# Altium PCB PCB22.PcbDoc (part 11 of 16) (continued)
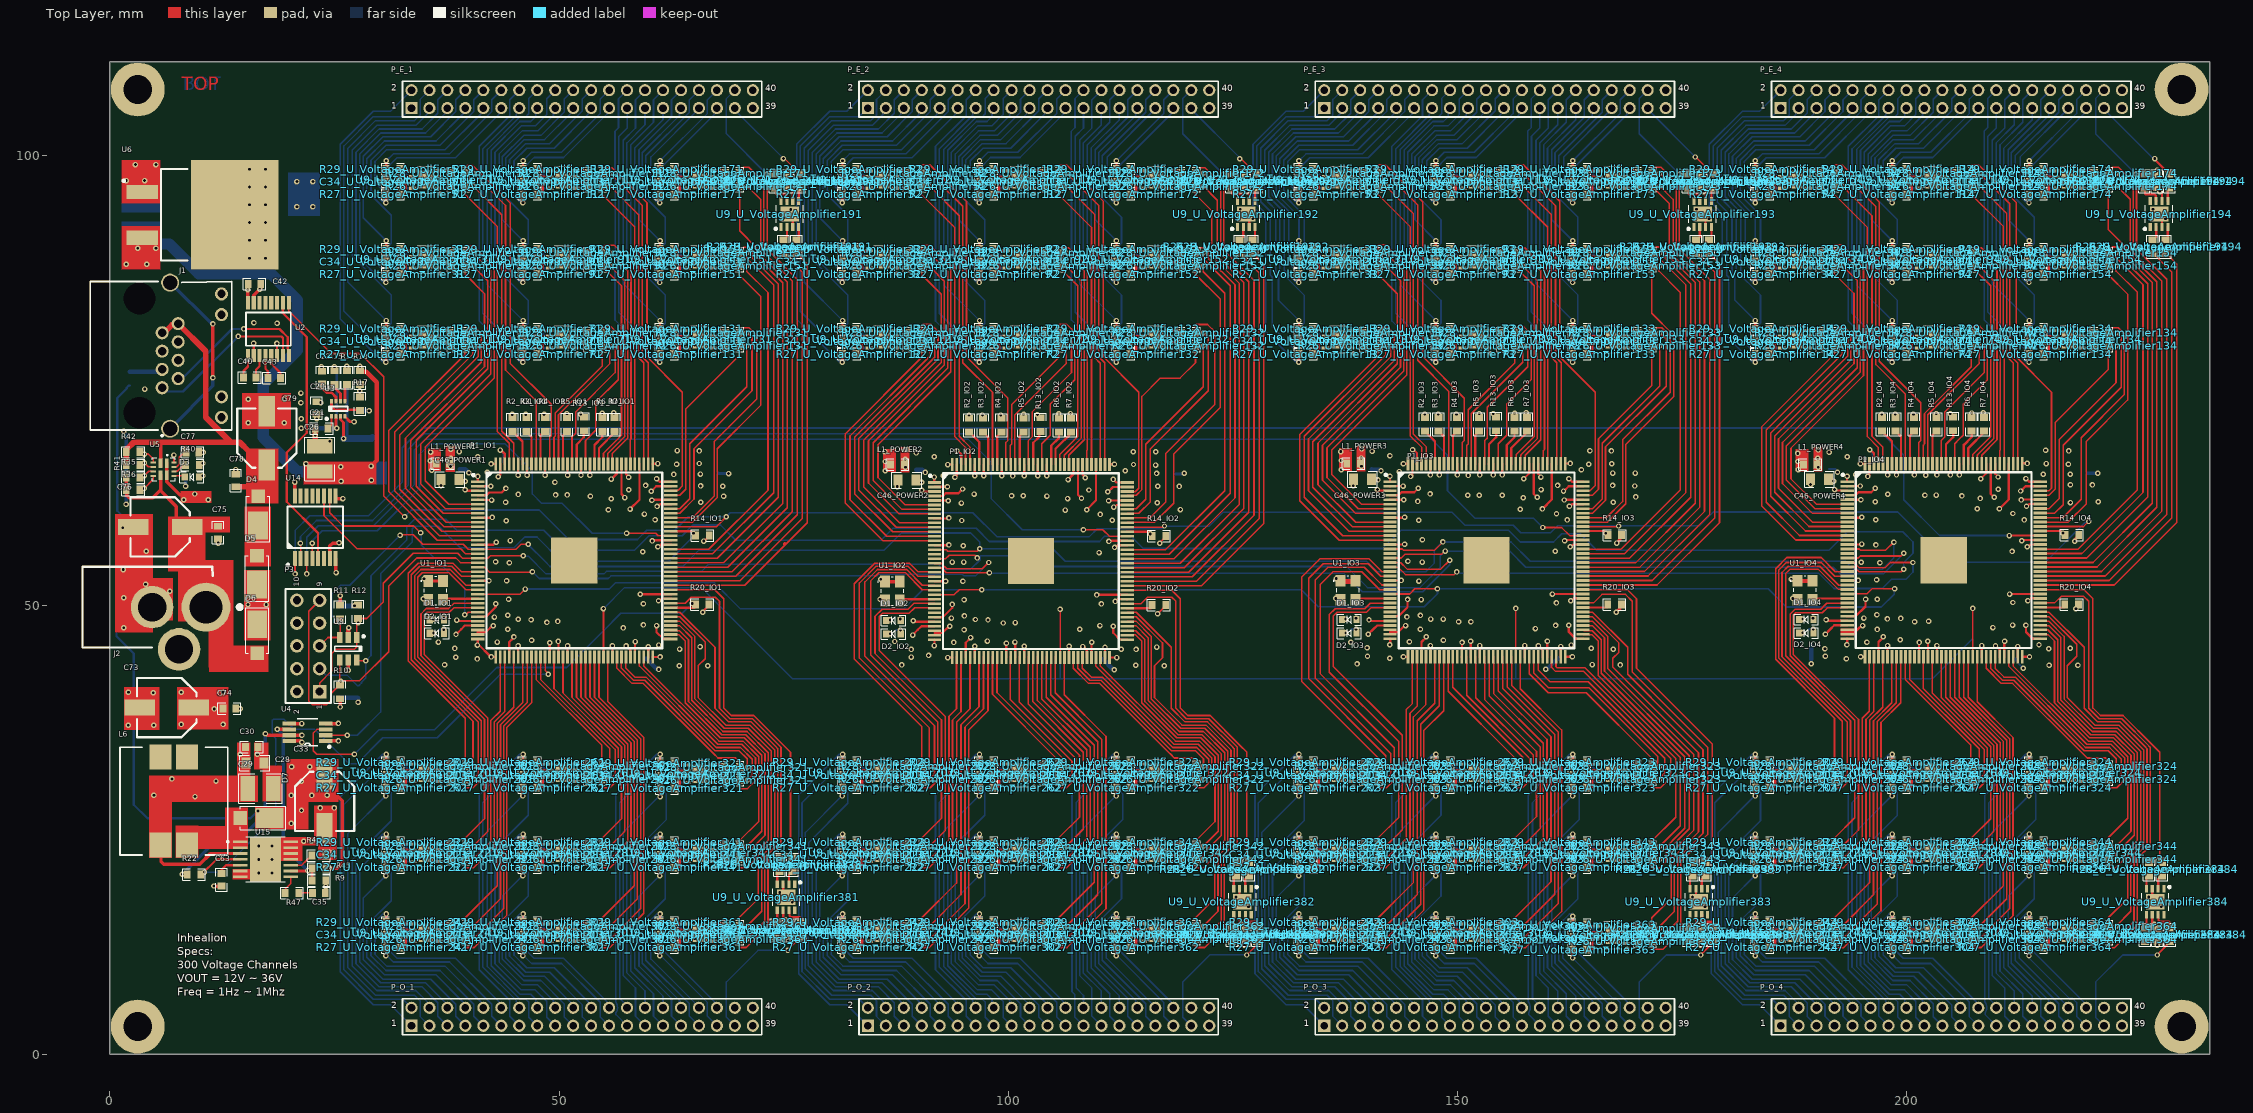
[diagram p0: Top Layer view]
## Nets (pads, with @x,y where several pads share a name; then routed paths per layer and width w, separated by ;. In a path a pad name is that pad's centre, name@x,y a point inside that pad or via, vN(x,y) a via of type N, cw(c..) or ccw(c..) an arc to the next point about the centre after c; other vN are vias at no path point) (continued)
NetR29_U_VoltageAmplifier171_1: R29_U_VoltageAmplifier171.1 U9_U_VoltageAmplifier171.5 | length 1.5
  Top Layer w0.254: R29_U_VoltageAmplifier171.1@62.74,98.531 62.913,98.358 U9_U_VoltageAmplifier171.5@64.188,98.358
NetR29_U_VoltageAmplifier172_1: R29_U_VoltageAmplifier172.1 U9_U_VoltageAmplifier172.5 | length 1.5
  Top Layer w0.254: R29_U_VoltageAmplifier172.1@113.54,98.531 113.713,98.358 U9_U_VoltageAmplifier172.5@114.988,98.358
NetR29_U_VoltageAmplifier173_1: R29_U_VoltageAmplifier173.1 U9_U_VoltageAmplifier173.5 | length 1.5
  Top Layer w0.254: R29_U_VoltageAmplifier173.1@164.34,98.531 164.513,98.358 U9_U_VoltageAmplifier173.5@165.788,98.358
NetR29_U_VoltageAmplifier174_1: R29_U_VoltageAmplifier174.1 U9_U_VoltageAmplifier174.5 | length 1.5
  Top Layer w0.254: R29_U_VoltageAmplifier174.1@215.14,98.531 215.313,98.358 U9_U_VoltageAmplifier174.5@216.588,98.358
NetR29_U_VoltageAmplifier181_1: R29_U_VoltageAmplifier181.1 U9_U_VoltageAmplifier181.5 | length 1.8
  Bottom Layer w0.254: R29_U_VoltageAmplifier181.1@62.74,95.737 62.74,95.801 63.348,96.408 U9_U_VoltageAmplifier181.5@64.188,96.408
NetR29_U_VoltageAmplifier182_1: R29_U_VoltageAmplifier182.1 U9_U_VoltageAmplifier182.5 | length 1.8
  Bottom Layer w0.254: R29_U_VoltageAmplifier182.1@113.54,95.737 113.54,95.801 114.148,96.408 U9_U_VoltageAmplifier182.5@114.988,96.408
NetR29_U_VoltageAmplifier183_1: R29_U_VoltageAmplifier183.1 U9_U_VoltageAmplifier183.5 | length 1.8
  Bottom Layer w0.254: R29_U_VoltageAmplifier183.1@164.34,95.737 164.34,95.801 164.948,96.408 U9_U_VoltageAmplifier183.5@165.788,96.408
NetR29_U_VoltageAmplifier184_1: R29_U_VoltageAmplifier184.1 U9_U_VoltageAmplifier184.5 | length 1.8
  Bottom Layer w0.254: R29_U_VoltageAmplifier184.1@215.14,95.737 215.14,95.801 215.748,96.408 U9_U_VoltageAmplifier184.5@216.588,96.408
NetR29_U_VoltageAmplifier191_1: R29_U_VoltageAmplifier191.1 U9_U_VoltageAmplifier191.5 | length 1.5
  Top Layer w0.254: U9_U_VoltageAmplifier191.5@76.658,94.99 76.658,96.265 R29_U_VoltageAmplifier191.1@76.831,96.438
NetR29_U_VoltageAmplifier192_1: R29_U_VoltageAmplifier192.1 U9_U_VoltageAmplifier192.5 | length 1.5
  Top Layer w0.254: U9_U_VoltageAmplifier192.5@127.458,94.99 127.458,96.265 R29_U_VoltageAmplifier192.1@127.631,96.438
NetR29_U_VoltageAmplifier193_1: R29_U_VoltageAmplifier193.1 U9_U_VoltageAmplifier193.5 | length 1.5
  Top Layer w0.254: U9_U_VoltageAmplifier193.5@178.258,94.99 178.258,96.265 R29_U_VoltageAmplifier193.1@178.431,96.438
NetR29_U_VoltageAmplifier194_1: R29_U_VoltageAmplifier194.1 U9_U_VoltageAmplifier194.5 | length 1.5
  Top Layer w0.254: U9_U_VoltageAmplifier194.5@229.058,94.99 229.058,96.265 R29_U_VoltageAmplifier194.1@229.231,96.438
NetR29_U_VoltageAmplifier201_1: R29_U_VoltageAmplifier201.1 U9_U_VoltageAmplifier201.5 | length 1.5
  Top Layer w0.254: R29_U_VoltageAmplifier201.1@32.26,32.491 32.433,32.318 U9_U_VoltageAmplifier201.5@33.708,32.318
NetR29_U_VoltageAmplifier202_1: R29_U_VoltageAmplifier202.1 U9_U_VoltageAmplifier202.5 | length 1.5
  Top Layer w0.254: R29_U_VoltageAmplifier202.1@83.06,32.491 83.233,32.318 U9_U_VoltageAmplifier202.5@84.508,32.318
NetR29_U_VoltageAmplifier203_1: R29_U_VoltageAmplifier203.1 U9_U_VoltageAmplifier203.5 | length 1.5
  Top Layer w0.254: R29_U_VoltageAmplifier203.1@133.86,32.491 134.033,32.318 U9_U_VoltageAmplifier203.5@135.308,32.318
NetR29_U_VoltageAmplifier204_1: R29_U_VoltageAmplifier204.1 U9_U_VoltageAmplifier204.5 | length 1.5
  Top Layer w0.254: R29_U_VoltageAmplifier204.1@184.66,32.491 184.833,32.318 U9_U_VoltageAmplifier204.5@186.108,32.318
NetR29_U_VoltageAmplifier211_1: R29_U_VoltageAmplifier211.1 U9_U_VoltageAmplifier211.5 | length 1.8
  Bottom Layer w0.254: R29_U_VoltageAmplifier211.1@32.26,29.697 32.26,29.761 32.868,30.368 U9_U_VoltageAmplifier211.5@33.708,30.368
NetR29_U_VoltageAmplifier212_1: R29_U_VoltageAmplifier212.1 U9_U_VoltageAmplifier212.5 | length 1.8
  Bottom Layer w0.254: R29_U_VoltageAmplifier212.1@83.06,29.697 83.06,29.761 83.668,30.368 U9_U_VoltageAmplifier212.5@84.508,30.368
NetR29_U_VoltageAmplifier213_1: R29_U_VoltageAmplifier213.1 U9_U_VoltageAmplifier213.5 | length 1.8
  Bottom Layer w0.254: R29_U_VoltageAmplifier213.1@133.86,29.697 133.86,29.761 134.468,30.368 U9_U_VoltageAmplifier213.5@135.308,30.368
NetR29_U_VoltageAmplifier214_1: R29_U_VoltageAmplifier214.1 U9_U_VoltageAmplifier214.5 | length 1.8
  Bottom Layer w0.254: R29_U_VoltageAmplifier214.1@184.66,29.697 184.66,29.761 185.268,30.368 U9_U_VoltageAmplifier214.5@186.108,30.368
NetR29_U_VoltageAmplifier221_1: R29_U_VoltageAmplifier221.1 U9_U_VoltageAmplifier221.5 | length 1.5
  Top Layer w0.254: R29_U_VoltageAmplifier221.1@32.26,23.601 32.433,23.428 U9_U_VoltageAmplifier221.5@33.708,23.428
NetR29_U_VoltageAmplifier222_1: R29_U_VoltageAmplifier222.1 U9_U_VoltageAmplifier222.5 | length 1.5
  Top Layer w0.254: R29_U_VoltageAmplifier222.1@83.06,23.601 83.233,23.428 U9_U_VoltageAmplifier222.5@84.508,23.428
NetR29_U_VoltageAmplifier223_1: R29_U_VoltageAmplifier223.1 U9_U_VoltageAmplifier223.5 | length 1.5
  Top Layer w0.254: R29_U_VoltageAmplifier223.1@133.86,23.601 134.033,23.428 U9_U_VoltageAmplifier223.5@135.308,23.428
NetR29_U_VoltageAmplifier224_1: R29_U_VoltageAmplifier224.1 U9_U_VoltageAmplifier224.5 | length 1.5
  Top Layer w0.254: R29_U_VoltageAmplifier224.1@184.66,23.601 184.833,23.428 U9_U_VoltageAmplifier224.5@186.108,23.428
NetR29_U_VoltageAmplifier231_1: R29_U_VoltageAmplifier231.1 U9_U_VoltageAmplifier231.5 | length 1.8
  Bottom Layer w0.254: R29_U_VoltageAmplifier231.1@32.26,20.807 32.26,20.871 32.868,21.478 U9_U_VoltageAmplifier231.5@33.708,21.478
NetR29_U_VoltageAmplifier232_1: R29_U_VoltageAmplifier232.1 U9_U_VoltageAmplifier232.5 | length 1.8
  Bottom Layer w0.254: R29_U_VoltageAmplifier232.1@83.06,20.807 83.06,20.871 83.668,21.478 U9_U_VoltageAmplifier232.5@84.508,21.478
NetR29_U_VoltageAmplifier233_1: R29_U_VoltageAmplifier233.1 U9_U_VoltageAmplifier233.5 | length 1.8
  Bottom Layer w0.254: R29_U_VoltageAmplifier233.1@133.86,20.807 133.86,20.871 134.468,21.478 U9_U_VoltageAmplifier233.5@135.308,21.478
NetR29_U_VoltageAmplifier234_1: R29_U_VoltageAmplifier234.1 U9_U_VoltageAmplifier234.5 | length 1.8
  Bottom Layer w0.254: R29_U_VoltageAmplifier234.1@184.66,20.807 184.66,20.871 185.268,21.478 U9_U_VoltageAmplifier234.5@186.108,21.478
NetR29_U_VoltageAmplifier241_1: R29_U_VoltageAmplifier241.1 U9_U_VoltageAmplifier241.5 | length 1.5
  Top Layer w0.254: R29_U_VoltageAmplifier241.1@32.26,14.711 32.433,14.538 U9_U_VoltageAmplifier241.5@33.708,14.538
NetR29_U_VoltageAmplifier242_1: R29_U_VoltageAmplifier242.1 U9_U_VoltageAmplifier242.5 | length 1.5
  Top Layer w0.254: R29_U_VoltageAmplifier242.1@83.06,14.711 83.233,14.538 U9_U_VoltageAmplifier242.5@84.508,14.538
NetR29_U_VoltageAmplifier243_1: R29_U_VoltageAmplifier243.1 U9_U_VoltageAmplifier243.5 | length 1.5
  Top Layer w0.254: R29_U_VoltageAmplifier243.1@133.86,14.711 134.033,14.538 U9_U_VoltageAmplifier243.5@135.308,14.538
NetR29_U_VoltageAmplifier244_1: R29_U_VoltageAmplifier244.1 U9_U_VoltageAmplifier244.5 | length 1.5
  Top Layer w0.254: R29_U_VoltageAmplifier244.1@184.66,14.711 184.833,14.538 U9_U_VoltageAmplifier244.5@186.108,14.538
NetR29_U_VoltageAmplifier251_1: R29_U_VoltageAmplifier251.1 U9_U_VoltageAmplifier251.5 | length 1.8
  Bottom Layer w0.254: R29_U_VoltageAmplifier251.1@32.26,11.917 32.26,11.981 32.868,12.588 U9_U_VoltageAmplifier251.5@33.708,12.588
NetR29_U_VoltageAmplifier252_1: R29_U_VoltageAmplifier252.1 U9_U_VoltageAmplifier252.5 | length 1.8
  Bottom Layer w0.254: R29_U_VoltageAmplifier252.1@83.06,11.917 83.06,11.981 83.668,12.588 U9_U_VoltageAmplifier252.5@84.508,12.588
NetR29_U_VoltageAmplifier253_1: R29_U_VoltageAmplifier253.1 U9_U_VoltageAmplifier253.5 | length 1.8
  Bottom Layer w0.254: R29_U_VoltageAmplifier253.1@133.86,11.917 133.86,11.981 134.468,12.588 U9_U_VoltageAmplifier253.5@135.308,12.588
NetR29_U_VoltageAmplifier254_1: R29_U_VoltageAmplifier254.1 U9_U_VoltageAmplifier254.5 | length 1.8
  Bottom Layer w0.254: R29_U_VoltageAmplifier254.1@184.66,11.917 184.66,11.981 185.268,12.588 U9_U_VoltageAmplifier254.5@186.108,12.588
NetR29_U_VoltageAmplifier261_1: R29_U_VoltageAmplifier261.1 U9_U_VoltageAmplifier261.5 | length 1.5
  Top Layer w0.254: R29_U_VoltageAmplifier261.1@47.5,32.491 47.673,32.318 U9_U_VoltageAmplifier261.5@48.948,32.318
NetR29_U_VoltageAmplifier262_1: R29_U_VoltageAmplifier262.1 U9_U_VoltageAmplifier262.5 | length 1.5
  Top Layer w0.254: R29_U_VoltageAmplifier262.1@98.3,32.491 98.473,32.318 U9_U_VoltageAmplifier262.5@99.748,32.318
NetR29_U_VoltageAmplifier263_1: R29_U_VoltageAmplifier263.1 U9_U_VoltageAmplifier263.5 | length 1.5
  Top Layer w0.254: R29_U_VoltageAmplifier263.1@149.1,32.491 149.273,32.318 U9_U_VoltageAmplifier263.5@150.548,32.318
NetR29_U_VoltageAmplifier264_1: R29_U_VoltageAmplifier264.1 U9_U_VoltageAmplifier264.5 | length 1.5
  Top Layer w0.254: R29_U_VoltageAmplifier264.1@199.9,32.491 200.073,32.318 U9_U_VoltageAmplifier264.5@201.348,32.318
NetR29_U_VoltageAmplifier271_1: R29_U_VoltageAmplifier271.1 U9_U_VoltageAmplifier271.5 | length 1.8
  Bottom Layer w0.254: R29_U_VoltageAmplifier271.1@47.5,29.697 47.5,29.761 48.108,30.368 U9_U_VoltageAmplifier271.5@48.948,30.368
NetR29_U_VoltageAmplifier272_1: R29_U_VoltageAmplifier272.1 U9_U_VoltageAmplifier272.5 | length 1.8
  Bottom Layer w0.254: R29_U_VoltageAmplifier272.1@98.3,29.697 98.3,29.761 98.908,30.368 U9_U_VoltageAmplifier272.5@99.748,30.368
NetR29_U_VoltageAmplifier273_1: R29_U_VoltageAmplifier273.1 U9_U_VoltageAmplifier273.5 | length 1.8
  Bottom Layer w0.254: R29_U_VoltageAmplifier273.1@149.1,29.697 149.1,29.761 149.708,30.368 U9_U_VoltageAmplifier273.5@150.548,30.368
NetR29_U_VoltageAmplifier274_1: R29_U_VoltageAmplifier274.1 U9_U_VoltageAmplifier274.5 | length 1.8
  Bottom Layer w0.254: R29_U_VoltageAmplifier274.1@199.9,29.697 199.9,29.761 200.508,30.368 U9_U_VoltageAmplifier274.5@201.348,30.368
NetR29_U_VoltageAmplifier281_1: R29_U_VoltageAmplifier281.1 U9_U_VoltageAmplifier281.5 | length 1.5
  Top Layer w0.254: R29_U_VoltageAmplifier281.1@47.5,23.601 47.673,23.428 U9_U_VoltageAmplifier281.5@48.948,23.428
NetR29_U_VoltageAmplifier282_1: R29_U_VoltageAmplifier282.1 U9_U_VoltageAmplifier282.5 | length 1.5
  Top Layer w0.254: R29_U_VoltageAmplifier282.1@98.3,23.601 98.473,23.428 U9_U_VoltageAmplifier282.5@99.748,23.428
NetR29_U_VoltageAmplifier283_1: R29_U_VoltageAmplifier283.1 U9_U_VoltageAmplifier283.5 | length 1.5
  Top Layer w0.254: R29_U_VoltageAmplifier283.1@149.1,23.601 149.273,23.428 U9_U_VoltageAmplifier283.5@150.548,23.428
NetR29_U_VoltageAmplifier284_1: R29_U_VoltageAmplifier284.1 U9_U_VoltageAmplifier284.5 | length 1.5
  Top Layer w0.254: R29_U_VoltageAmplifier284.1@199.9,23.601 200.073,23.428 U9_U_VoltageAmplifier284.5@201.348,23.428
NetR29_U_VoltageAmplifier291_1: R29_U_VoltageAmplifier291.1 U9_U_VoltageAmplifier291.5 | length 1.8
  Bottom Layer w0.254: R29_U_VoltageAmplifier291.1@47.5,20.807 47.5,20.871 48.108,21.478 U9_U_VoltageAmplifier291.5@48.948,21.478
NetR29_U_VoltageAmplifier292_1: R29_U_VoltageAmplifier292.1 U9_U_VoltageAmplifier292.5 | length 1.8
  Bottom Layer w0.254: R29_U_VoltageAmplifier292.1@98.3,20.807 98.3,20.871 98.908,21.478 U9_U_VoltageAmplifier292.5@99.748,21.478
NetR29_U_VoltageAmplifier293_1: R29_U_VoltageAmplifier293.1 U9_U_VoltageAmplifier293.5 | length 1.8
  Bottom Layer w0.254: R29_U_VoltageAmplifier293.1@149.1,20.807 149.1,20.871 149.708,21.478 U9_U_VoltageAmplifier293.5@150.548,21.478
NetR29_U_VoltageAmplifier294_1: R29_U_VoltageAmplifier294.1 U9_U_VoltageAmplifier294.5 | length 1.8
  Bottom Layer w0.254: R29_U_VoltageAmplifier294.1@199.9,20.807 199.9,20.871 200.508,21.478 U9_U_VoltageAmplifier294.5@201.348,21.478
NetR29_U_VoltageAmplifier301_1: R29_U_VoltageAmplifier301.1 U9_U_VoltageAmplifier301.5 | length 1.5
  Top Layer w0.254: R29_U_VoltageAmplifier301.1@47.5,14.711 47.673,14.538 U9_U_VoltageAmplifier301.5@48.948,14.538
NetR29_U_VoltageAmplifier302_1: R29_U_VoltageAmplifier302.1 U9_U_VoltageAmplifier302.5 | length 1.5
  Top Layer w0.254: R29_U_VoltageAmplifier302.1@98.3,14.711 98.473,14.538 U9_U_VoltageAmplifier302.5@99.748,14.538
NetR29_U_VoltageAmplifier303_1: R29_U_VoltageAmplifier303.1 U9_U_VoltageAmplifier303.5 | length 1.5
  Top Layer w0.254: R29_U_VoltageAmplifier303.1@149.1,14.711 149.273,14.538 U9_U_VoltageAmplifier303.5@150.548,14.538
NetR29_U_VoltageAmplifier304_1: R29_U_VoltageAmplifier304.1 U9_U_VoltageAmplifier304.5 | length 1.5
  Top Layer w0.254: R29_U_VoltageAmplifier304.1@199.9,14.711 200.073,14.538 U9_U_VoltageAmplifier304.5@201.348,14.538
NetR29_U_VoltageAmplifier311_1: R29_U_VoltageAmplifier311.1 U9_U_VoltageAmplifier311.5 | length 1.8
  Bottom Layer w0.254: R29_U_VoltageAmplifier311.1@47.5,11.917 47.5,11.981 48.108,12.588 U9_U_VoltageAmplifier311.5@48.948,12.588
NetR29_U_VoltageAmplifier312_1: R29_U_VoltageAmplifier312.1 U9_U_VoltageAmplifier312.5 | length 1.8
  Bottom Layer w0.254: R29_U_VoltageAmplifier312.1@98.3,11.917 98.3,11.981 98.908,12.588 U9_U_VoltageAmplifier312.5@99.748,12.588
NetR29_U_VoltageAmplifier313_1: R29_U_VoltageAmplifier313.1 U9_U_VoltageAmplifier313.5 | length 1.8
  Bottom Layer w0.254: R29_U_VoltageAmplifier313.1@149.1,11.917 149.1,11.981 149.708,12.588 U9_U_VoltageAmplifier313.5@150.548,12.588
NetR29_U_VoltageAmplifier314_1: R29_U_VoltageAmplifier314.1 U9_U_VoltageAmplifier314.5 | length 1.8
  Bottom Layer w0.254: R29_U_VoltageAmplifier314.1@199.9,11.917 199.9,11.981 200.508,12.588 U9_U_VoltageAmplifier314.5@201.348,12.588
NetR29_U_VoltageAmplifier321_1: R29_U_VoltageAmplifier321.1 U9_U_VoltageAmplifier321.5 | length 1.5
  Top Layer w0.254: R29_U_VoltageAmplifier321.1@62.77,32.4 62.943,32.227 U9_U_VoltageAmplifier321.5@64.218,32.227
NetR29_U_VoltageAmplifier322_1: R29_U_VoltageAmplifier322.1 U9_U_VoltageAmplifier322.5 | length 1.5
  Top Layer w0.254: R29_U_VoltageAmplifier322.1@113.54,32.491 113.713,32.318 U9_U_VoltageAmplifier322.5@114.988,32.318
NetR29_U_VoltageAmplifier323_1: R29_U_VoltageAmplifier323.1 U9_U_VoltageAmplifier323.5 | length 1.5
  Top Layer w0.254: R29_U_VoltageAmplifier323.1@164.34,32.491 164.513,32.318 U9_U_VoltageAmplifier323.5@165.788,32.318
NetR29_U_VoltageAmplifier324_1: R29_U_VoltageAmplifier324.1 U9_U_VoltageAmplifier324.5 | length 1.5
  Top Layer w0.254: R29_U_VoltageAmplifier324.1@215.14,32.491 215.313,32.318 U9_U_VoltageAmplifier324.5@216.588,32.318
NetR29_U_VoltageAmplifier331_1: R29_U_VoltageAmplifier331.1 U9_U_VoltageAmplifier331.5 | length 1.8
  Bottom Layer w0.254: R29_U_VoltageAmplifier331.1@62.77,29.606 62.77,29.67 63.377,30.277 U9_U_VoltageAmplifier331.5@64.218,30.277
NetR29_U_VoltageAmplifier332_1: R29_U_VoltageAmplifier332.1 U9_U_VoltageAmplifier332.5 | length 1.8
  Bottom Layer w0.254: R29_U_VoltageAmplifier332.1@113.54,29.697 113.54,29.761 114.148,30.368 U9_U_VoltageAmplifier332.5@114.988,30.368
NetR29_U_VoltageAmplifier333_1: R29_U_VoltageAmplifier333.1 U9_U_VoltageAmplifier333.5 | length 1.8
  Bottom Layer w0.254: R29_U_VoltageAmplifier333.1@164.34,29.697 164.34,29.761 164.948,30.368 U9_U_VoltageAmplifier333.5@165.788,30.368
NetR29_U_VoltageAmplifier334_1: R29_U_VoltageAmplifier334.1 U9_U_VoltageAmplifier334.5 | length 1.8
  Bottom Layer w0.254: R29_U_VoltageAmplifier334.1@215.14,29.697 215.14,29.761 215.748,30.368 U9_U_VoltageAmplifier334.5@216.588,30.368
NetR29_U_VoltageAmplifier341_1: R29_U_VoltageAmplifier341.1 U9_U_VoltageAmplifier341.5 | length 1.5
  Top Layer w0.254: R29_U_VoltageAmplifier341.1@62.74,23.601 62.913,23.428 U9_U_VoltageAmplifier341.5@64.188,23.428
NetR29_U_VoltageAmplifier342_1: R29_U_VoltageAmplifier342.1 U9_U_VoltageAmplifier342.5 | length 1.5
  Top Layer w0.254: R29_U_VoltageAmplifier342.1@113.54,23.601 113.713,23.428 U9_U_VoltageAmplifier342.5@114.988,23.428
NetR29_U_VoltageAmplifier343_1: R29_U_VoltageAmplifier343.1 U9_U_VoltageAmplifier343.5 | length 1.5
  Top Layer w0.254: R29_U_VoltageAmplifier343.1@164.34,23.601 164.513,23.428 U9_U_VoltageAmplifier343.5@165.788,23.428
NetR29_U_VoltageAmplifier344_1: R29_U_VoltageAmplifier344.1 U9_U_VoltageAmplifier344.5 | length 1.5
  Top Layer w0.254: R29_U_VoltageAmplifier344.1@215.14,23.601 215.313,23.428 U9_U_VoltageAmplifier344.5@216.588,23.428
NetR29_U_VoltageAmplifier351_1: R29_U_VoltageAmplifier351.1 U9_U_VoltageAmplifier351.5 | length 1.8
  Bottom Layer w0.254: R29_U_VoltageAmplifier351.1@62.74,20.807 62.74,20.871 63.348,21.478 U9_U_VoltageAmplifier351.5@64.188,21.478
NetR29_U_VoltageAmplifier352_1: R29_U_VoltageAmplifier352.1 U9_U_VoltageAmplifier352.5 | length 1.8
  Bottom Layer w0.254: R29_U_VoltageAmplifier352.1@113.54,20.807 113.54,20.871 114.148,21.478 U9_U_VoltageAmplifier352.5@114.988,21.478
NetR29_U_VoltageAmplifier353_1: R29_U_VoltageAmplifier353.1 U9_U_VoltageAmplifier353.5 | length 1.8
  Bottom Layer w0.254: R29_U_VoltageAmplifier353.1@164.34,20.807 164.34,20.871 164.948,21.478 U9_U_VoltageAmplifier353.5@165.788,21.478
NetR29_U_VoltageAmplifier354_1: R29_U_VoltageAmplifier354.1 U9_U_VoltageAmplifier354.5 | length 1.8
  Bottom Layer w0.254: R29_U_VoltageAmplifier354.1@215.14,20.807 215.14,20.871 215.748,21.478 U9_U_VoltageAmplifier354.5@216.588,21.478
NetR29_U_VoltageAmplifier361_1: R29_U_VoltageAmplifier361.1 U9_U_VoltageAmplifier361.5 | length 1.5
  Top Layer w0.254: R29_U_VoltageAmplifier361.1@62.74,14.711 62.913,14.538 U9_U_VoltageAmplifier361.5@64.188,14.538
NetR29_U_VoltageAmplifier362_1: R29_U_VoltageAmplifier362.1 U9_U_VoltageAmplifier362.5 | length 1.5
  Top Layer w0.254: R29_U_VoltageAmplifier362.1@113.54,14.711 113.713,14.538 U9_U_VoltageAmplifier362.5@114.988,14.538
NetR29_U_VoltageAmplifier363_1: R29_U_VoltageAmplifier363.1 U9_U_VoltageAmplifier363.5 | length 1.5
  Top Layer w0.254: R29_U_VoltageAmplifier363.1@164.34,14.457 164.513,14.284 U9_U_VoltageAmplifier363.5@165.788,14.284
NetR29_U_VoltageAmplifier364_1: R29_U_VoltageAmplifier364.1 U9_U_VoltageAmplifier364.5 | length 1.5
  Top Layer w0.254: R29_U_VoltageAmplifier364.1@215.14,14.711 215.313,14.538 U9_U_VoltageAmplifier364.5@216.588,14.538
NetR29_U_VoltageAmplifier371_1: R29_U_VoltageAmplifier371.1 U9_U_VoltageAmplifier371.5 | length 1.8
  Bottom Layer w0.254: R29_U_VoltageAmplifier371.1@62.74,11.917 62.74,11.981 63.348,12.588 U9_U_VoltageAmplifier371.5@64.188,12.588
NetR29_U_VoltageAmplifier372_1: R29_U_VoltageAmplifier372.1 U9_U_VoltageAmplifier372.5 | length 1.8
  Bottom Layer w0.254: R29_U_VoltageAmplifier372.1@113.54,11.917 113.54,11.981 114.148,12.588 U9_U_VoltageAmplifier372.5@114.988,12.588
NetR29_U_VoltageAmplifier373_1: R29_U_VoltageAmplifier373.1 U9_U_VoltageAmplifier373.5 | length 1.8
  Bottom Layer w0.254: R29_U_VoltageAmplifier373.1@164.34,11.663 164.34,11.727 164.948,12.334 U9_U_VoltageAmplifier373.5@165.788,12.334
NetR29_U_VoltageAmplifier374_1: R29_U_VoltageAmplifier374.1 U9_U_VoltageAmplifier374.5 | length 1.8
  Bottom Layer w0.254: R29_U_VoltageAmplifier374.1@215.14,11.917 215.14,11.981 215.748,12.588 U9_U_VoltageAmplifier374.5@216.588,12.588
NetR29_U_VoltageAmplifier381_1: R29_U_VoltageAmplifier381.1 U9_U_VoltageAmplifier381.5 | length 1.5
  Top Layer w0.254: R29_U_VoltageAmplifier381.1@74.109,14.59 74.282,14.763 U9_U_VoltageAmplifier381.5@74.282,16.038
NetR29_U_VoltageAmplifier382_1: R29_U_VoltageAmplifier382.1 U9_U_VoltageAmplifier382.5 | length 1.5
  Top Layer w0.254: R29_U_VoltageAmplifier382.1@124.909,14.082 125.082,14.255 U9_U_VoltageAmplifier382.5@125.082,15.53
NetR29_U_VoltageAmplifier383_1: R29_U_VoltageAmplifier383.1 U9_U_VoltageAmplifier383.5 | length 1.5
  Top Layer w0.254: R29_U_VoltageAmplifier383.1@175.709,14.082 175.882,14.255 U9_U_VoltageAmplifier383.5@175.882,15.53
NetR29_U_VoltageAmplifier384_1: R29_U_VoltageAmplifier384.1 U9_U_VoltageAmplifier384.5 | length 1.5
  Top Layer w0.254: R29_U_VoltageAmplifier384.1@226.509,14.082 226.682,14.255 U9_U_VoltageAmplifier384.5@226.682,15.53
NetR35_2: R35.2 R38.2 U5.5 | length 1.2
  Top Layer w0.178: v1(3.846,64.429) 4.313,64.896 U5.5@4.829,64.896
NetR36_1: R36.1 R39.1 U5.6 | length 1.8
  Top Layer w0.178: v1(3.807,63.001) 4.829,64.022 U5.6@4.829,64.396
NetR40_1: R40.1 U5.10 | length 1.7
  Top Layer w0.178: U5.10@7.129,64.896 7.501,64.896 R40.1@8.423,65.817
NetR41_2: R41.2 R43.2 U5.4 | length 1.2
  Top Layer w0.178: v1(3.841,65.831) 4.276,65.396 U5.4@4.829,65.396
NetR42_1: R42.1 R44.1 U5.3 | length 1.6
  Top Layer w0.178: v1(3.842,66.825) 4.271,66.825 4.829,66.268 U5.3@4.829,65.896
NetR47_2: R47.2 U15.8 | length 2
  Top Layer w0.178: R47.2@19.501,17.983 19.501,18.415 20.114,19.028 U15.8@20.114,19.763
NetR48_2: R48.2 U15.10 | length 2.7
  Top Layer w0.178: U15.10@20.114,21.063 21.333,21.063 21.517,21.247 21.673,21.403 22.367,22.098 R48.2@22.371,22.098
PWR_CNTRL: C78.2 C79.1 D4.2 J1.7 J1.8 R41.1 R42.2 U5.2 | length 45.8
  Top Layer w0.381: U5.2@5.638,65.481 5.638,67.98
  Top Layer w0.635: R41.1@1.824,65.744 R42.2@1.824,67.028 1.887,67.091 1.887,67.389 2.645,68.147 13.44,68.147 ; J1.7@5.808,80.322 6.032,80.322 6.894,81.184 7.43,81.184 J1.8@7.588,81.342 10.662,78.268 10.662,70.924 13.44,68.147 ; C78.2@13.999,63.181 15.754,63.181 16.494,63.92 ; D4.2@16.494,62.109 16.494,63.92 ; 13.44,68.147 14.44,68.147 15.478,67.109 16.953,67.109 16.953,64.38 16.494,63.92
PWR_LOCAL: C75.2 C76.1 D6.2 J2.1 R35.1 R36.2 U5.7 | length 19.4
  Top Layer w0.254: J2.1@10.693,47.423 J2.1@10.693,49.787 ; 13.644,44.666 D6.2@16.39,44.666
  Top Layer w0.381: R35.1@1.824,64.407 1.824,62.996 1.888,62.932 1.888,62.203 2.154,61.937 4.75,61.937 5.6,62.787 ; U5.7@5.629,64.471 5.636,64.463 5.636,62.823 5.6,62.787 ; C76.1@7.266,59.007 8.831,57.442 ; C76.1@7.398,59.578 7.398,60.988 5.6,62.787
RS232_RX: J1.2 U2.8 | length 17
  Top Layer w0.254: v1(14.909,80.751) 18.87,80.751 19.786,79.835 19.786,78.552 19.809,78.53 19.809,77.891 U2.8@19.907,77.793
  Bottom Layer w0.254: J1.2@7.588,75.222 8.056,75.222 13.586,80.751 v1(14.909,80.751)
RS232_TX: J1.1 U2.7 | length 18.2
  Top Layer w0.254: v1(14.272,79.918) 19.092,79.918 19.257,79.754 U2.7@19.257,77.793
  Bottom Layer w0.254: J1.1@5.808,74.202 6.23,73.781 8.134,73.781 v1(14.272,79.918)
SCL: P1_IO1.97 R14_IO1.1 U4.2 | length 67.6
  Top Layer w0.178: U4.2@24.015,35.524 v1@26.473,35.524
  Top Layer w0.254: P1_IO1.97@62.42,58.229 64.726,58.229 v1(64.954,58.001) R14_IO1.1@65.183,57.772
  Bottom Layer w0.178: v1(26.41,35.523) 27.539,35.523 30.124,38.108 30.124,53.512 33.641,57.029 33.641,58.495 33.941,58.795 36.613,58.795 39.006,56.401 44.967,56.401 46.157,57.59 47.538,57.59 50.226,54.902 62.189,54.902 64.895,57.608 64.895,57.941 v1(64.954,58.001)
SCL_IO2: P1_IO2.97 R14_IO2.1 | length 3
  Top Layer w0.254: P1_IO2.97@113.248,58.163 115.554,58.163 v1(115.782,57.935) R14_IO2.1@116.011,57.706
SCL_IO3: P1_IO3.97 R14_IO3.1 | length 3
  Top Layer w0.254: P1_IO3.97@163.969,58.251 166.275,58.251 v1(166.504,58.022) R14_IO3.1@166.732,57.794
SCL_IO4: P1_IO4.97 R14_IO4.1 | length 3
  Top Layer w0.254: P1_IO4.97@214.845,58.255 217.151,58.255 R14_IO4.1@217.608,57.797
  other v1: 217.38,58.026
SDA: P1_IO1.80 R20_IO1.1 U4.3 | length 55.6
  Top Layer w0.178: U4.3@24.015,36.185 24,36.17 23.047,36.17 22.639,35.762 22.639,33.809 23.032,33.416 v1(27.21,33.416)
  Top Layer w0.254: P1_IO1.80@62.42,49.729 65.05,49.729 R20_IO1.1@65.163,49.842
  Bottom Layer w0.178: v1(27.21,33.416) 29.945,36.151 36.137,36.151 43.054,43.068 50.832,43.068 54.896,47.132 56.857,49.093 63.692,49.093 64.797,50.198 v1(64.807,50.198)
SDA_IO2: P1_IO2.80 R20_IO2.1 | length 5.2
  Top Layer w0.254: R20_IO2.1@115.991,49.776 115.878,49.663 R20_IO2.1@115.61,49.663 ; R20_IO2.1@115.61,49.663 P1_IO2.80@113.248,49.663 R20_IO2.1@115.61,49.663
SDA_IO3: P1_IO3.80 R20_IO3.1 | length 5.2
  Top Layer w0.254: R20_IO3.1@166.712,49.864 166.599,49.751 R20_IO3.1@166.331,49.751 ; R20_IO3.1@166.331,49.751 P1_IO3.80@163.969,49.751 R20_IO3.1@166.331,49.751
SDA_IO4: P1_IO4.80 R20_IO4.1 | length 5.2
  Top Layer w0.254: R20_IO4.1@217.588,49.868 217.475,49.755 R20_IO4.1@217.207,49.755 ; R20_IO4.1@217.207,49.755 P1_IO4.80@214.845,49.755 R20_IO4.1@217.207,49.755
SHIELD: J1.MH1 J1.MH2 | length 20.3
  Top Layer w0.381: v1(11.462,75.326) v1(11.463,81.308)
  Bottom Layer w0.381: J1.MH2@6.698,69.642 11.462,74.405 v1(11.462,75.326) ; J1.MH1@6.698,85.902 6.728,85.902 11.322,81.308 v1(11.463,81.308)
TCK: C36.2 P1_IO1.18 P1_IO2.18 P1_IO3.18 P1_IO4.18 P3.1 R12.2 U8.1 | length 213.6
  Top Layer w0.178: P3.1@23.339,40.388 23.339,41.34 24.67,42.671 24.67,44.592 25.178,45.1 27.21,45.1 27.474,45.364 U8.1@27.474,46.403 27.474,47.768 27.649,47.942 v1(27.649,48.059) ; R12.2@27.632,48.516 28.594,48.516 30.435,50.357 30.435,52.445 33.759,55.768 38.703,55.768 39.242,55.229 P1_IO1.18@40.944,55.229 42.064,55.229 42.349,55.514 v1(46.006,55.514) ; P1_IO2.18@91.772,55.163 93.01,55.163 93.409,55.562 96.25,55.562 v1(96.552,55.26) ; P1_IO3.18@142.493,55.251 143.732,55.251 144.13,55.649 148.186,55.649 148.559,56.022 v1(148.622,56.022) ; P1_IO4.18@193.369,55.255 194.608,55.255 194.83,55.476 199.356,55.476 199.647,55.768 v1(199.676,55.768)
  Bottom Layer w0.178: v1(46.006,55.514) 46.069,55.451 46.577,55.451 48.546,53.482 54.998,53.482 55.275,53.759 65.841,53.759 66.657,54.575 92.157,54.575 92.742,53.99 95.79,53.99 96.872,55.072 96.872,55.514 97.314,55.514 103.918,55.514 105.121,54.311 137.629,54.311 139.98,51.959 145.829,51.959 148.064,54.194 148.064,55.464 v1(148.622,56.022) 155.8,56.022 157.587,54.235 191.811,54.235 192.529,53.517 197.45,53.517 199.676,55.743 v1(199.676,55.768)
TDI: C39.2 P1_IO1.19 P3.9 R10.2 U8.4 | length 44.5
  Top Layer w0.178: P3.9@23.339,50.548 22.13,49.339 22.13,39.332 22.549,38.913 24.094,38.913 24.624,39.443 24.624,40.193 25.248,40.818 25.32,40.818 R10.2@25.612,41.11 ; U8.4@25.574,43.903 25.574,41.773 25.686,41.661 v1(25.686,41.544) ; v1@25.686,41.578 27.778,41.578 31.02,44.82 31.02,52.133 34.135,55.248 38.513,55.248 39.019,54.742 40.932,54.742 P1_IO1.19@40.944,54.729
TDI_IO2: P1_IO1.20 P1_IO2.19 | length 64.8
  Top Layer w0.178: P1_IO1.20@40.944,54.229 41.71,54.229 42.257,53.682 46.968,53.682 v1(47.022,53.736) ; P1_IO2.19@91.772,54.663 91.795,54.64 92.564,54.64 93.148,54.056 97.085,54.056 v1@97.692,54.663
  Bottom Layer w0.178: v1(47.022,53.736) 47.784,52.974 55.474,52.974 55.761,53.262 85.368,53.262 85.553,53.446 94.874,53.446 95.059,53.262 96.332,53.262 v1(97.822,54.752)
TDI_IO3: P1_IO2.20 P1_IO3.19 | length 67.6
  Top Layer w0.178: P1_IO2.20@91.772,54.163 92.538,54.163 93.085,53.616 v1(97.899,53.616) ; P1_IO3.19@142.493,54.751 142.516,54.728 143.671,54.728 144.382,54.017 148.141,54.017 v1(149.13,55.006)
  Bottom Layer w0.178: v1(97.899,53.616) 97.981,53.534 137.353,53.534 139.381,51.506 146.135,51.506 149.13,54.501 v1(149.13,55.006)
TDI_IO4: P1_IO3.20 P1_IO4.19 | length 69.1
  Top Layer w0.178: P1_IO3.20@142.493,54.251 142.514,54.23 143.381,54.23 144.206,53.406 149.601,53.406 149.896,53.7 v1(149.921,53.7) ; P1_IO4.19@193.369,54.755 193.392,54.732 194.161,54.732 194.745,54.147 197.547,54.147 198.155,54.755 200.689,54.755 v1(200.692,54.752)
  Bottom Layer w0.178: v1(149.921,53.7) 150.038,53.7 150.2,53.538 190.222,53.538 191.897,51.863 197.28,51.863 198.284,52.867 199.876,52.867 200.692,53.683 v1(200.692,54.752)